# Altium PCB generic_shield.PcbDoc (part 1 of 2)
Units mil, origin at the board's own origin, x right, y up, seen from the top; angles counter-clockwise.
Board outline 5955.5 x 3149.6 mil, 4 copper layers (Top Layer, Signal Layer 1, Signal Layer 2, Bottom Layer), stack 65.118 mil thick; 112 components, 139 nets, 484 pads, 137 vias.
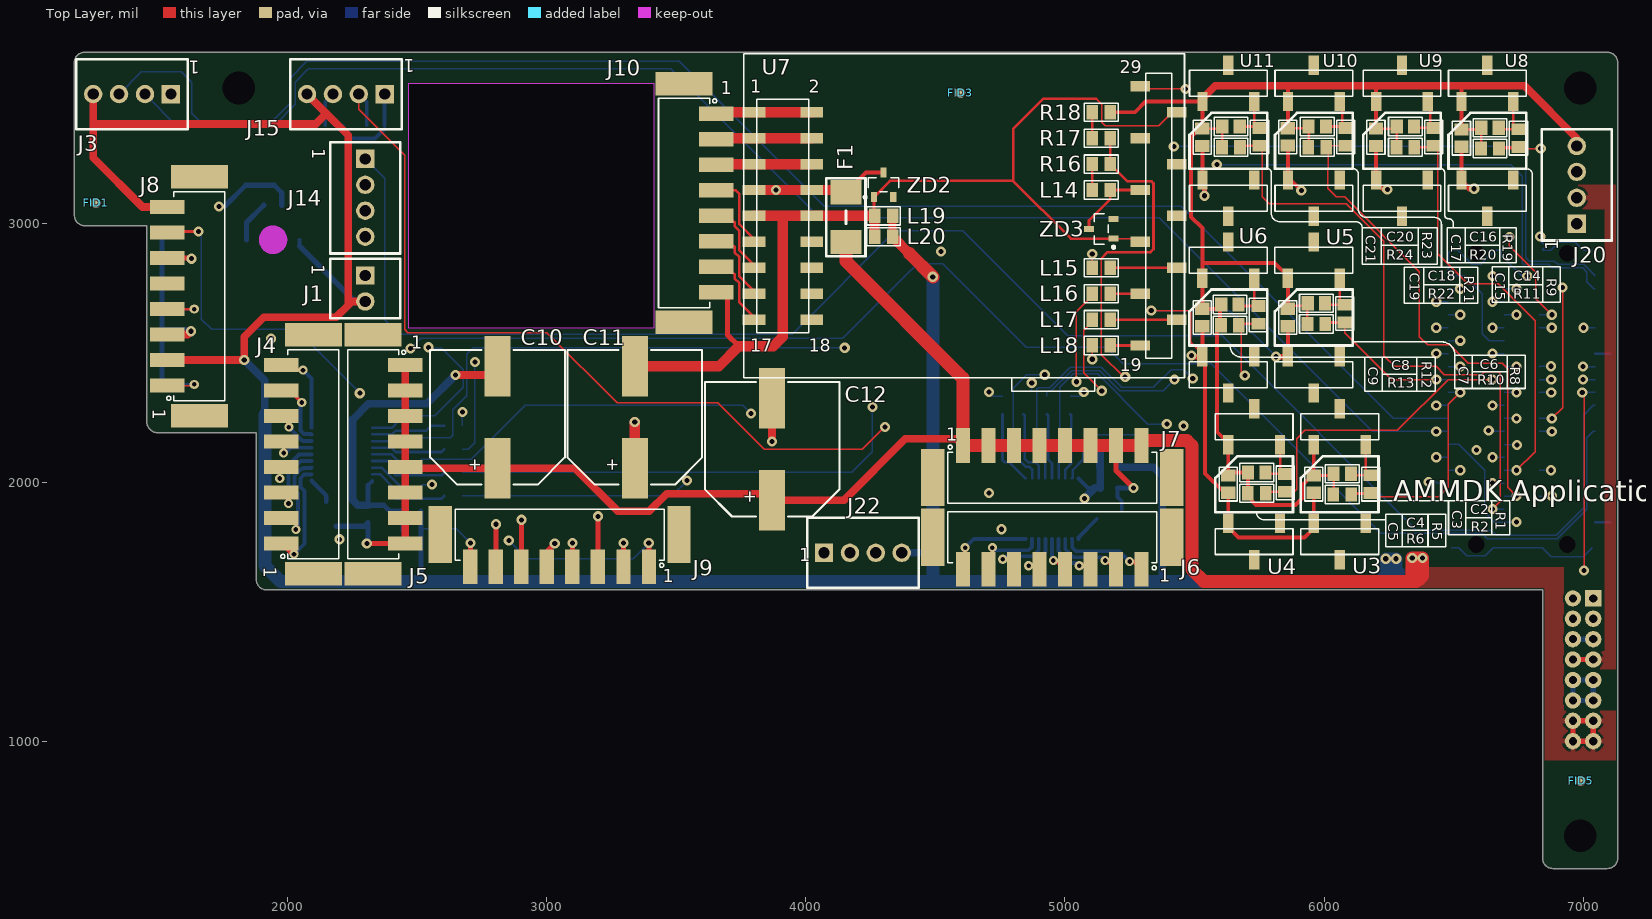
[diagram p0: Top Layer view]
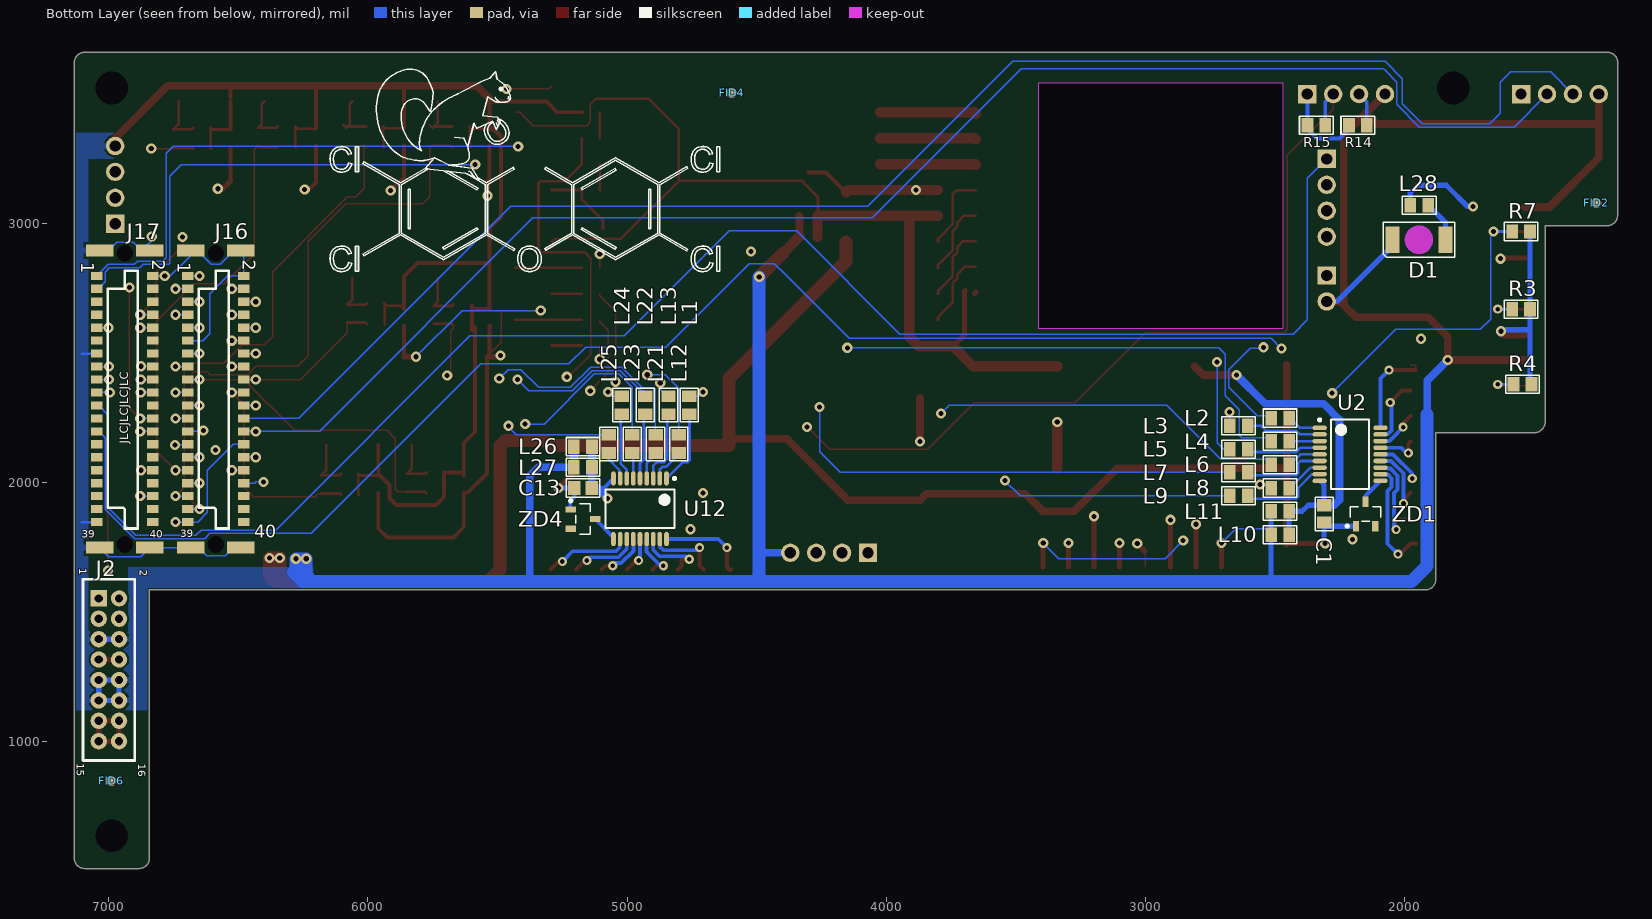
[diagram p1: Bottom Layer view, seen from below]
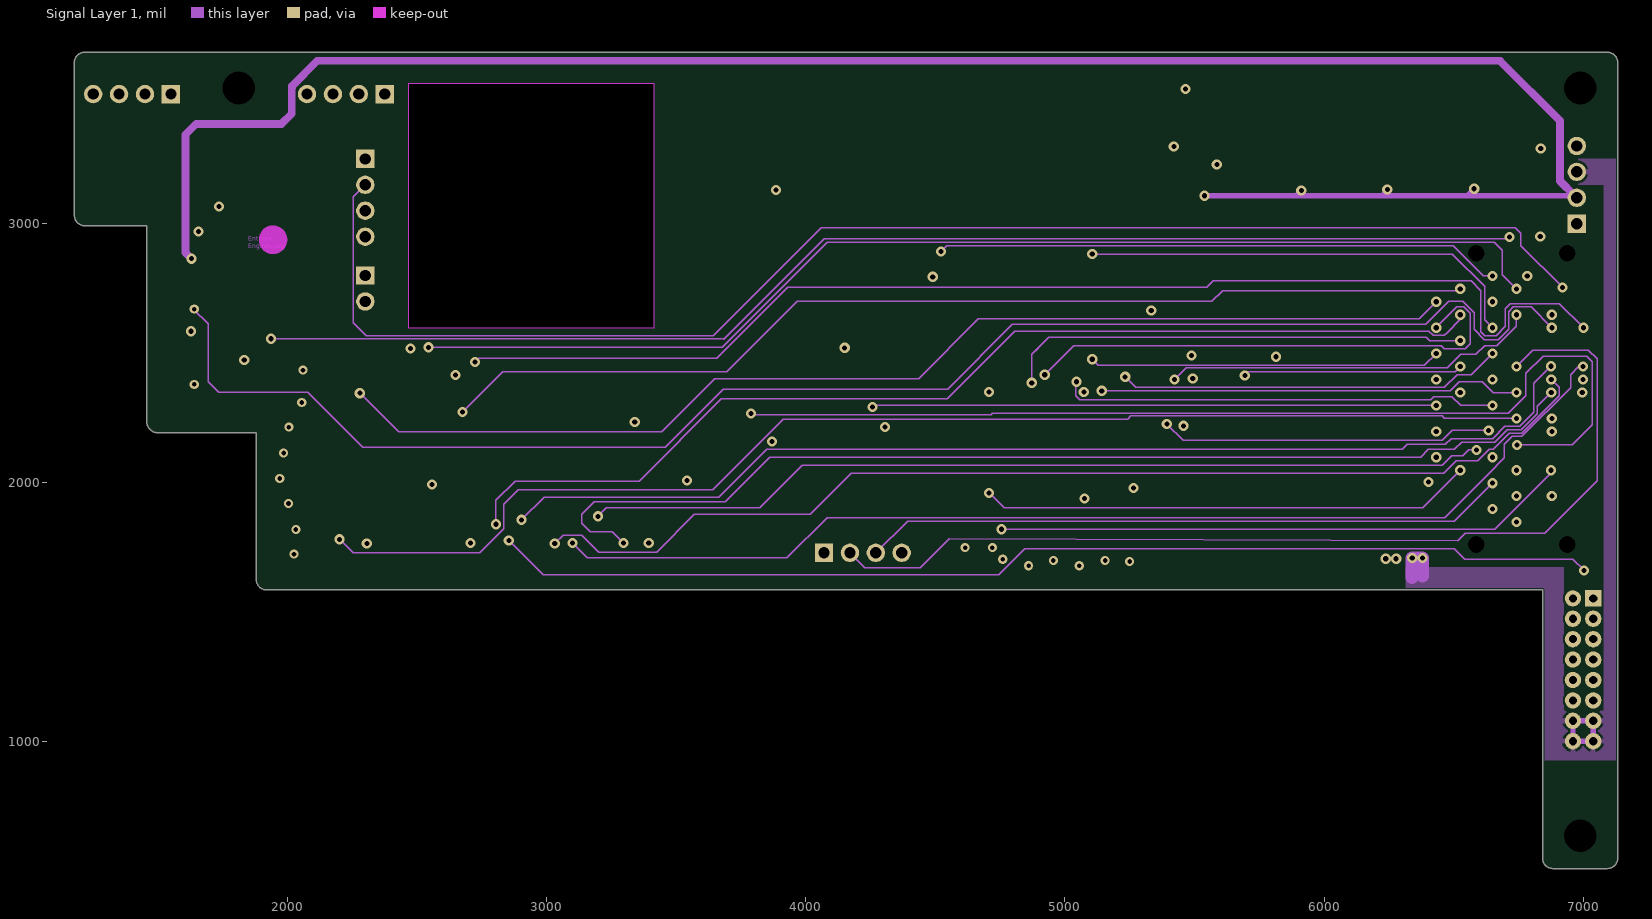
[diagram p2: Signal Layer 1]
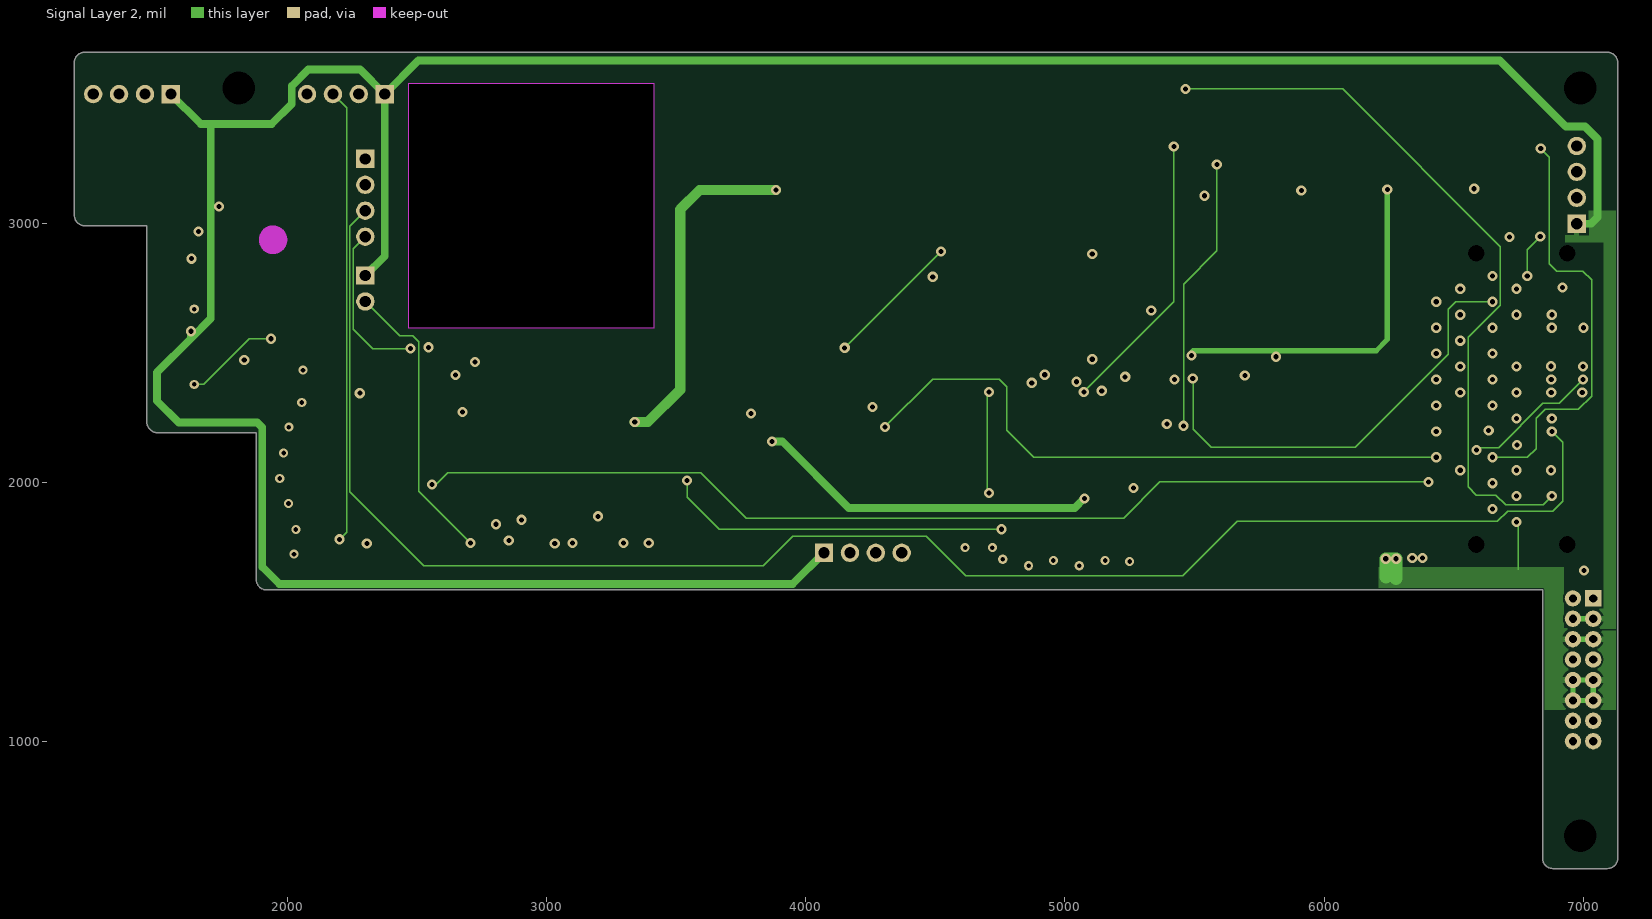
[diagram p3: Signal Layer 2]
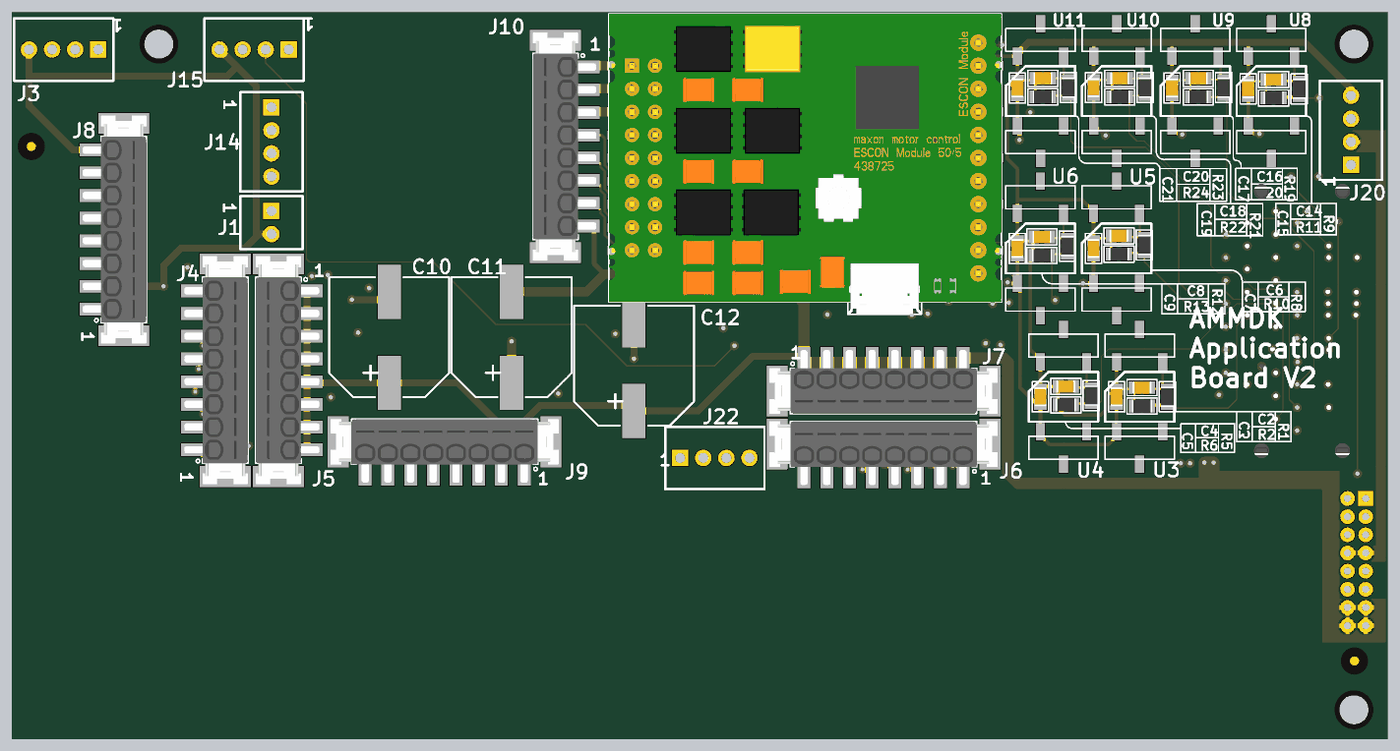
[diagram p5: 3D render of the assembled board from above, using the file's embedded part models]

## Layer stack, top to bottom
Top Solder: solder mask 0.3937, Solder Resist, Dk 3.5
Top Layer: signal copper 2.7559
Dielectric 1: core 7.0866, FR-4, Dk 4.2
Signal Layer 1: signal copper 0.6693
Core: prepreg 44.0945, FR-4, Dk 4.2
Signal Layer 2: signal copper 0.6693
Dielectric 2: core 7.0866, FR-4, Dk 4.2
Bottom Layer: signal copper 2.7559
Bottom Solder: solder mask 0.3937, Solder Resist, Dk 3.5

## Board outline
1496.06,2193.12 cw(c1501.86,2238.29) 1456.69,2244.09 1456.69,2992.13 1220.47,2992.13 cw(c1218.57,3033.4) 1177.3,3031.5 1177.3,3621.87 cw(c1216.67,3621.87) 1216.67,3661.24 7093.43,3661.24 cw(c7093.43,3621.87) 7132.8,3621.87 7132.8,551.01 cw(c7093.43,551.01) 7093.43,511.64 6882.17,511.64 cw(c6882.17,551.01) 6842.8,551.01 6842.8,1587.06 1918.87,1587.06 cw(c1918.87,1626.43) 1879.5,1626.43 1879.5,2193.12
cut-out: 2467.41,2596.76 2467.41,3541.68 3412.29,3541.68 3412.29,2596.8

## Design rules (kind name [scope] priority, off if disabled: settings)
BoardOutlineClearance [All] p1: gap=7.87 ignorepadtopadclearanceinfootprint=FALSE except(15.75: Arc-SplitBarrior Arc-SplitContinuation Track-SplitBarrior Track-SplitContinuation SMDPad-SplitBarrior SMDPad-SplitContinuation THPad-SplitBarrior THPad-SplitContinuation Via-SplitBarrior Via-SplitContinuation Fill-SplitBarrior Fill-SplitContinuation Poly-SplitBarrior Poly-SplitContinuation Region-SplitBarrior Region-SplitContinuation Text-SplitBarrior Text-SplitContinuation)
Clearance "Clearance Bottom Layer" [OnLayer('Bottom Layer')] p1: gap=8 ignorepadtopadclearanceinfootprint=TRUE except(10: Arc-Text Track-Text SMDPad-Text THPad-Text Via-Text Fill-Text Poly-Text Region-Text Text-Text)
Clearance "Clearance Top Layer" [OnLayer('Top Layer')] p2: gap=8 ignorepadtopadclearanceinfootprint=TRUE except(10: Arc-Text Track-Text SMDPad-Text THPad-Text Via-Text Fill-Text Poly-Text Region-Text Text-Text)
Clearance [All] p3: gap=7.87 ignorepadtopadclearanceinfootprint=FALSE except(3.5: Arc-Arc Arc-Track Arc-SMDPad Track-Track Track-SMDPad SMDPad-SMDPad; 10: Arc-Text Track-Text SMDPad-Text THPad-Text Via-Text Fill-Text Poly-Text Region-Text Text-Text)
HoleSize [All] p1: absolutevalues=TRUE maxlimit=248.03 minlimit=7.87 maxpercent=80.000 minpercent=20.000
MinimumAnnularRing [All] p1: minimumring=3
MinimumSolderMaskSliver [All] p1: minsoldermaskwidth=3.94
PolygonConnect PolygonConnect_1 [All] p1: thpad.connectstyle=Relief thpad.reliefconductorwidth=20 thpad.reliefentries=4 thpad.polygonreliefangle="90 Angle" thpad.airgapwidth=10 smdpad.connectstyle=Relief smdpad.reliefconductorwidth=20 smdpad.reliefentries=4 smdpad.polygonreliefangle="90 Angle" smdpad.airgapwidth=10 via.connectstyle=Direct via.reliefconductorwidth=20 via.reliefentries=4 via.polygonreliefangle="90 Angle" via.airgapwidth=10
RoutingCorners [All] p1: cornerstyle=Round minsetback=100 maxsetback=100
RoutingVias [All] p1: holewidth=19.68 width=39.37 viastyle="Through Hole" minholewidth=7.87 minwidth=17.72 maxholewidth=39.37 maxwidth=78.74
SolderMaskExpansion [All] p1: expansion=4
Width [All] p1: maxlimit=100 minlimit=3.5 preferedwidth=5
27 further rules are at their usual default settings.

## Classes and differential pairs
component class [05]Motor: C11 F1 J10 L14 L15 L16 L17 L18 L19 L20 R16 R17 R18 U7 ZD2 ZD3
component class "[04]Misc IO": * *? FID1 FID2 FID3 FID4 FID5 FID6 FID7 J1 J3 J9 J14 J15 J20 J22 R14 R15
component class "[03]Pressure and Flow": C2 C3 C4 C5 C6 C7 C8 C9 C14 C15 C16 C17 C18 C19 C20 C21 J8 R1 R2 R3 R4 R5 R6 R7 R8 R9 R10 R11 R12 R13 R19 R20 R21 R22 R23 R24 U3 U4 U5 U6 U8 U9 U10 U11
component class "[02]Solenoid Driver": C1 C10 C12 C13 J4 J5 J6 J7 L1 L2 L3 L4 L5 L6 L7 L8 L9 L10 L11 L12 L13 L21 L22 L23 L24 L25 L26 L27 U2 U12 ZD1 ZD4
component class "[01]Power & GPIO Connector": D1 J2 J16 J17 L28

## Components (designator, comment, footprint, x,y, rotation, side; value= is the part's Value field where it differs from the comment)
C1 "100nF" CAPC2012X09N 2310,1880 r270 bottom
C2 "1nF" CAPC2012X09N 6070,2035 r0 top
C3 "100nF" CAPC2012X09N 5960,1995 r270 top
C4 "1nF" CAPC2012X09N 5740,2040 r0 top
C5 "100nF" CAPC2012X09N 5630,1995 r270 top
C6 "1nF" CAPC2012X09N 5970,2693 r0 top
C7 "100nF" CAPC2012X09N 5860,2638 r270 top
C8 "1nF" CAPC2012X09N 5636.54,2688 r0 top
C9 "100nF" CAPC2012X09N 5530,2638 r270 top
C10 "330uF" CAPAE137130X140M 2810,2253.15 r90 top
C11 "330uF" CAPAE137130X140M 3340,2253.15 r90 top locked
C12 "330uF" CAPAE137130X140M 3870,2130 r90 top
C13 "100nF" CAPC2012X09N 5170,1980 r0 bottom
C14 "1nF" CAPC2012X09N 6640,3370 r0 top
C15 "100nF" CAPC2012X09N 6530,3330 r270 top
C16 "1nF" CAPC2012X09N 6313.46,3375 r0 top
C17 "100nF" CAPC2012X09N 6200,3333.46 r270 top
C18 "1nF" CAPC2012X09N 5973.46,3375 r0 top
C19 "100nF" CAPC2012X09N 5860,3335 r270 top
C20 "1nF" CAPC2012X09N 5640.55,3375 r0 top
C21 "100nF" CAPC2012X09N 5530,3333.46 r270 top
D1 "XZFBB45S-9" PLCC-2 1944,2938 r0 bottom
F1 "10A" 0157004.DR 4155,3025 r270 top
FID1 "FID?" fiducial 1260,3080 r0 top
FID2 "FID?" fiducial 1260,3080 r90 bottom
FID3 "FID?" fiducial 4596,3505 r90 top
FID4 "FID?" fiducial 4596,3505 r90 bottom
FID5 "FID?" fiducial 6990,850 r90 top
FID6 "FID?" fiducial 6990,850 r90 bottom
J1 "282834-2" 282834-2 2300,2750 r270 top
J2 "DF11-16DP-2DSA(01)" DF11-16DP-2DSA(01)_FLIP 6999.3,1278.64 r270 bottom locked
J3 "282834-4" 282834-4 1400,3500 r180 top
J4 "1771156" 1771156 2100,2110 r90 top locked
J5 "1771156" 1771156 2330,2110 r270 top locked
J6 "1771156" 1771156 4950.63,1790 r180 top locked
J7 "1771156" 1771156 4950.63,2020 r0 top locked
J8 "1771156" 1771156 1660,2720 r90 top locked
J9 "1771156" 1771156 3050,1800 r180 top locked
J10 "1771156" 1771156 3530,3080 r270 top
J14 "282834-4" 282834-4 2300,3100 r270 top
J15 "282834-4" 282834-4 2225,3500 r180 top
J16 "M55-7004042R" M55-7004042R_FLIP 6587.3,2323.64 r270 bottom locked
J17 "M55-7004042R" M55-7004042R_FLIP 6938.3,2323.64 r270 bottom locked
J20 "282834-4" 282834-4 6975,3150 r90 top locked
J22 "282834-4" 282834-4 4220,1730 r0 top
L1 "MH2029-300Y" INDC2012X11N 4760,2300 r270 bottom
L2 "MH2029-300Y" INDC2012X11N 2480,2250 r180 bottom
L3 "MH2029-300Y" INDC2012X11N 2640,2220 r180 bottom
L4 "MH2029-300Y" INDC2012X11N 2480,2160 r180 bottom
L5 "MH2029-300Y" INDC2012X11N 2640,2130 r180 bottom
L6 "MH2029-300Y" INDC2012X11N 2480,2070 r180 bottom
L7 "MH2029-300Y" INDC2012X11N 2640,2040 r180 bottom
L8 "MH2029-300Y" INDC2012X11N 2480,1980 r180 bottom
L9 "MH2029-300Y" INDC2012X11N 2640,1950 r180 bottom
L10 "MH2029-300Y" INDC2012X11N 2480,1800 r180 bottom
L11 "MH2029-300Y" INDC2012X11N 2480,1890 r180 bottom
L12 "MH2029-300Y" INDC2012X11N 4800,2150 r270 bottom
L13 "MH2029-300Y" INDC2012X11N 4840,2300 r270 bottom
L14 "MH2029-300Y" INDC2012X11N 5140,3130 r180 top
L15 "MH2029-300Y" INDC2012X11N 5140,2830 r0 top
L16 "MH2029-300Y" INDC2012X11N 5140,2730 r0 top
L17 "MH2029-300Y" INDC2012X11N 5140,2630 r0 top
L18 "MH2029-300Y" INDC2012X11N 5140,2530 r0 top
L19 "MH2029-300Y" INDC2012X11N 4300,3030 r0 top
L20 "MH2029-300Y" INDC2012X11N 4300,2950 r180 top
L21 "MH2029-300Y" INDC2012X11N 4890,2150 r270 bottom
L22 "MH2029-300Y" INDC2012X11N 4930,2300 r270 bottom
L23 "MH2029-300Y" INDC2012X11N 4980,2150 r270 bottom
L24 "MH2029-300Y" INDC2012X11N 5020,2300 r270 bottom
L25 "MH2029-300Y" INDC2012X11N 5070,2150 r270 bottom
L26 "MH2029-300Y" INDC2012X11N 5170,2140 r180 bottom
L27 "MH2029-300Y" INDC2012X11N 5170,2060 r180 bottom
L28 "MH2029-300Y" INDC2012X11N 1943,3071 r0 bottom
R1 "1.2k" RESC2012X07N_SAMSUNG 6180,1995 r90 top
R2 "2.2k" RESC2012X07N_SAMSUNG 6070,1955 r0 top
R3 "10k" RESC2012X07N_SAMSUNG 1550,2670 r180 bottom
R4 "10k" RESC2012X07N_SAMSUNG 1544.45,2380 r180 bottom
R5 "1.2k" RESC2012X07N_SAMSUNG 5850,2000 r90 top
R6 "2.2k" RESC2012X07N_SAMSUNG 5740,1960 r0 top
R7 "10k" RESC2012X07N_SAMSUNG 1550,2970 r180 bottom
R8 "1.2k" RESC2012X07N_SAMSUNG 6080,2653 r90 top
R9 "1.2k" RESC2012X07N_SAMSUNG 6750,3330 r90 top
R10 "2.2k" RESC2012X07N_SAMSUNG 5970,2613 r0 top
R11 "2.2k" RESC2012X07N_SAMSUNG 6640,3290 r0 top
R12 "1.2k" RESC2012X07N_SAMSUNG 5746.54,2648 r90 top
R13 "2.2k" RESC2012X07N_SAMSUNG 5636.54,2608 r0 top
R14 "10k" RESC2012X07N_SAMSUNG 2180,3380 r0 bottom
R15 "10k" RESC2012X07N_SAMSUNG 2340,3380 r0 bottom
R16 "1.2k" RESC2012X07N_SAMSUNG 5140,3230 r180 top
R17 "2.2k" RESC2012X07N_SAMSUNG 5140,3330 r0 top
R18 "2.2k" RESC2012X07N_SAMSUNG 5140,3430 r180 top
R19 "1.2k" RESC2012X07N_SAMSUNG 6423.46,3335 r90 top
R20 "2.2k" RESC2012X07N_SAMSUNG 6313.46,3295 r0 top
R21 "1.2k" RESC2012X07N_SAMSUNG 6083.46,3335 r90 top
R22 "2.2k" RESC2012X07N_SAMSUNG 5973.46,3295 r0 top
R23 "1.2k" RESC2012X07N_SAMSUNG 5750.55,3335 r90 top
R24 "2.2k" RESC2012X07N_SAMSUNG 5640.55,3295 r0 top
U2 "TBD62083A" TSOP65P640X155-18N 2210,2110 r180 bottom
U3 "ABPDANT015PGAA5_SMD" "DIP6 SMD" 6060,1995 r90 top locked
U4 "ABPDANT015PGAA5_SMD" "DIP6 SMD" 5730,1995 r90 top locked
U5 "ABPDANT015PGAA5_SMD" "DIP6 SMD" 5960,2638 r90 top locked
U6 "ABPDANT015PGAA5_SMD" "DIP6 SMD" 5630,2638 r90 top locked
U7 "ESCON Module 50/5" "ESCON Module 50/5 SMD" 4611.25,3030 r0 top locked
U8 "ABPDANT015PGAA5_SMD" "DIP6 SMD" 6630,3320 r90 top locked
U9 "ABPDANT015PGAA5_SMD" "DIP6 SMD" 6300.52,3320 r90 top locked
U10 "ABPDANT015PGAA5_SMD" "DIP6 SMD" 5960.52,3320 r90 top locked
U11 "ABPDANT015PGAA5_SMD" "DIP6 SMD" 5630.52,3320 r90 top locked
U12 "TBD62083A" TSOP65P640X155-18N 4950,1900 r270 bottom locked
ZD1 "36V" SOT95P237X111-3N 2150,1880 r90 bottom
ZD2 "36V" SOT95P237X111-3N 4300,3150 r90 top
ZD3 "36V" SOT95P237X111-3N 5140,2980 r180 top
ZD4 "36V" SOT95P237X111-3N 5170,1860 r180 bottom

## Footprints (in the part's own frame and the unit in brackets; to place one, negate y for a bottom-side part, rotate by r counter-clockwise, add the part's x,y. Pads: shape width x height; smd on the part's side, far side on the other; paste and mask are expansions set on the pad)
0157004.DR [mm]
  rect 2.4x3 smd: 1(-2.43,0) 2(2.43,0)
  silkscreen extent -3.81,-1.92 3.81,1.92, body extent -3.81,-1.91 3.81,1.91, height 4.03
282834-2 [mm]
  rect 1.8x1.8 hole 1.1: 1(-1.27,0)
  round 1.8 hole 1.1: 2(1.27,0)
  silkscreen extent -2.92,-3.43 2.92,3.43, body extent -2.77,-3.25 2.77,3.25, height 10
282834-4 [mm]
  rect 1.8x1.8 hole 1.1: 1(-3.81,0)
  round 1.8 hole 1.1: 2(-1.27,0) 3(1.27,0) 4(3.81,0)
  silkscreen extent -5.46,-3.43 5.46,3.43, body extent -5.31,-3.25 5.31,3.25, height 10
1771156 [mm] "CONN TERM BLK 8POS 2.5MM SMD"
  rect 1.4x3.4 smd: 1(-8.75,3.15) 2(-6.25,3.15) 3(-3.75,3.15) 4(-1.25,3.15) 5(1.25,3.15) 6(3.75,3.15) 7(6.25,3.15) 8(8.75,3.15)
  rect 2.3x5.6 smd: NC(-11.7,0) NC(11.7,0)
  silkscreen extent -10.25,-2.5 10.25,3.2, body extent -12.55,-2.5 12.55,4.5, height 9
CAPAE137130X140M [mm] "Aluminum Electrolytic Capacitor, Body 13.00x13.00x14.00mm, IPC Low Density"
  rect 5.95x2.55 smd: 1(-5,0) 2(5,0)
  silkscreen extent -6.6,-6.6 6.6,6.6, body extent -6.6,-6.6 6.6,6.6, height 14
CAPC2012X09N [mm] "Chip Capacitor, 2-Leads, Body 2.00x1.25mm, IPC Medium Density"
  rect 1.2x1.4 smd: 1(-0.85,0) 2(0.85,0)
  silkscreen extent -1.65,-0.89 1.65,0.89, body extent -1.05,-0.67 1.05,0.67, height 0.95
DF11-16DP-2DSA(01)_FLIP [mm]
  rect 1.6x1.6 hole 0.8: 1(-7,-1)
  round 1.6 hole 0.8: 2(-7,1) 3(-5,-1) 4(-5,1) 5(-3,-1) 6(-3,1) 7(-1,-1) 8(-1,1) 9(1,-1) 10(1,1) 11(3,-1) 12(3,1) 13(5,-1) 14(5,1) 15(7,-1) 16(7,1)
  silkscreen extent -8.89,-2.54 8.89,2.54, body extent -9,-2.5 9,2.5, height 6.6
"DIP6 SMD" [mil]
  rect 75x40 smd: 1(151.46,100) 2(291.46,0) 3(151.46,-100) 4(-151.46,-100) 5(-291.46,0) 6(-151.46,100)
  silkscreen extent -271,-150 271,150, body extent -311,-157 311,157, height 855
"ESCON Module 50/5 SMD" [mil]
  rect 87.5x40 smd: 1(-811.25,400) 2(-588.75,400) 3(-811.25,300) 4(-588.75,300) 5(-811.25,200) 6(-588.75,200) 7(-811.25,100) 8(-588.75,100) 9(-811.25,0) 10(-588.75,0) 11(-811.25,-100) 12(-588.75,-100) 13(-811.25,-200) 14(-588.75,-200) 15(-811.25,-300) 16(-588.75,-300) 17(-811.25,-400) 18(-588.75,-400)
  rect 75x40 smd: 19(680,-500) 20(820,-400) 21(680,-300) 22(820,-200) 23(680,-100) 24(820,0) 25(680,100) 26(820,200) 27(680,300) 28(820,400) 29(680,500)
  silkscreen extent -850,-677 850,625, body extent -850,-677 850,625, height 568
fiducial [mm]
  round 1 smd paste-1 mask+1: ""(0,0)
INDC2012X11N [mm] "Chip Inductor, 2-Leads, Body 2.00x1.20mm, IPC Medium Density"
  rect 1.13x1.42 smd: 1(-0.885,0) 2(0.885,0)
  silkscreen extent -1.65,-0.89 1.65,0.89, body extent -1.1,-0.7 1.1,0.7, height 1.1
M55-7004042R_FLIP [mm] "M55-7004042R"
  rect 0.8x1.1 smd: 1(-12.065,-2.75) 2(-12.065,2.75) 3(-10.795,-2.75) 4(-10.795,2.75) 5(-9.525,-2.75) 6(-9.525,2.75) 7(-8.255,-2.75) 8(-8.255,2.75) 9(-6.985,-2.75) 10(-6.985,2.75) 11(-5.715,-2.75) 12(-5.715,2.75) 13(-4.445,-2.75) 14(-4.445,2.75) 15(-3.175,-2.75) 16(-3.175,2.75) 17(-1.905,-2.75) 18(-1.905,2.75) 19(-0.635,-2.75) 20(-0.635,2.75) 21(0.635,-2.75) 22(0.635,2.75) 23(1.905,-2.75) 24(1.905,2.75) 25(3.175,-2.75) 26(3.175,2.75) 27(4.445,-2.75) 28(4.445,2.75) 29(5.715,-2.75) 30(5.715,2.75) 31(6.985,-2.75) 32(6.985,2.75) 33(8.255,-2.75) 34(8.255,2.75) 35(9.525,-2.75) 36(9.525,2.75) 37(10.795,-2.75) 38(10.795,2.75) 39(12.065,-2.75) 40(12.065,2.75)
  rect 1.2x2.7 smd: GND(-14.56,-2.45) GND(-14.56,2.45) GND(14.56,-2.45) GND(14.56,2.45)
  round 0 hole 1.65 unplated: ""(-14.275,0) ""(14.275,0)
  silkscreen extent -12.57,-1.65 12.7,1.27, body extent -15.24,-3.6 15.24,3.6, height 6.75